# Altium PCB Copy of ECU rev B pcb.PcbDoc (part 4 of 5) (continued)
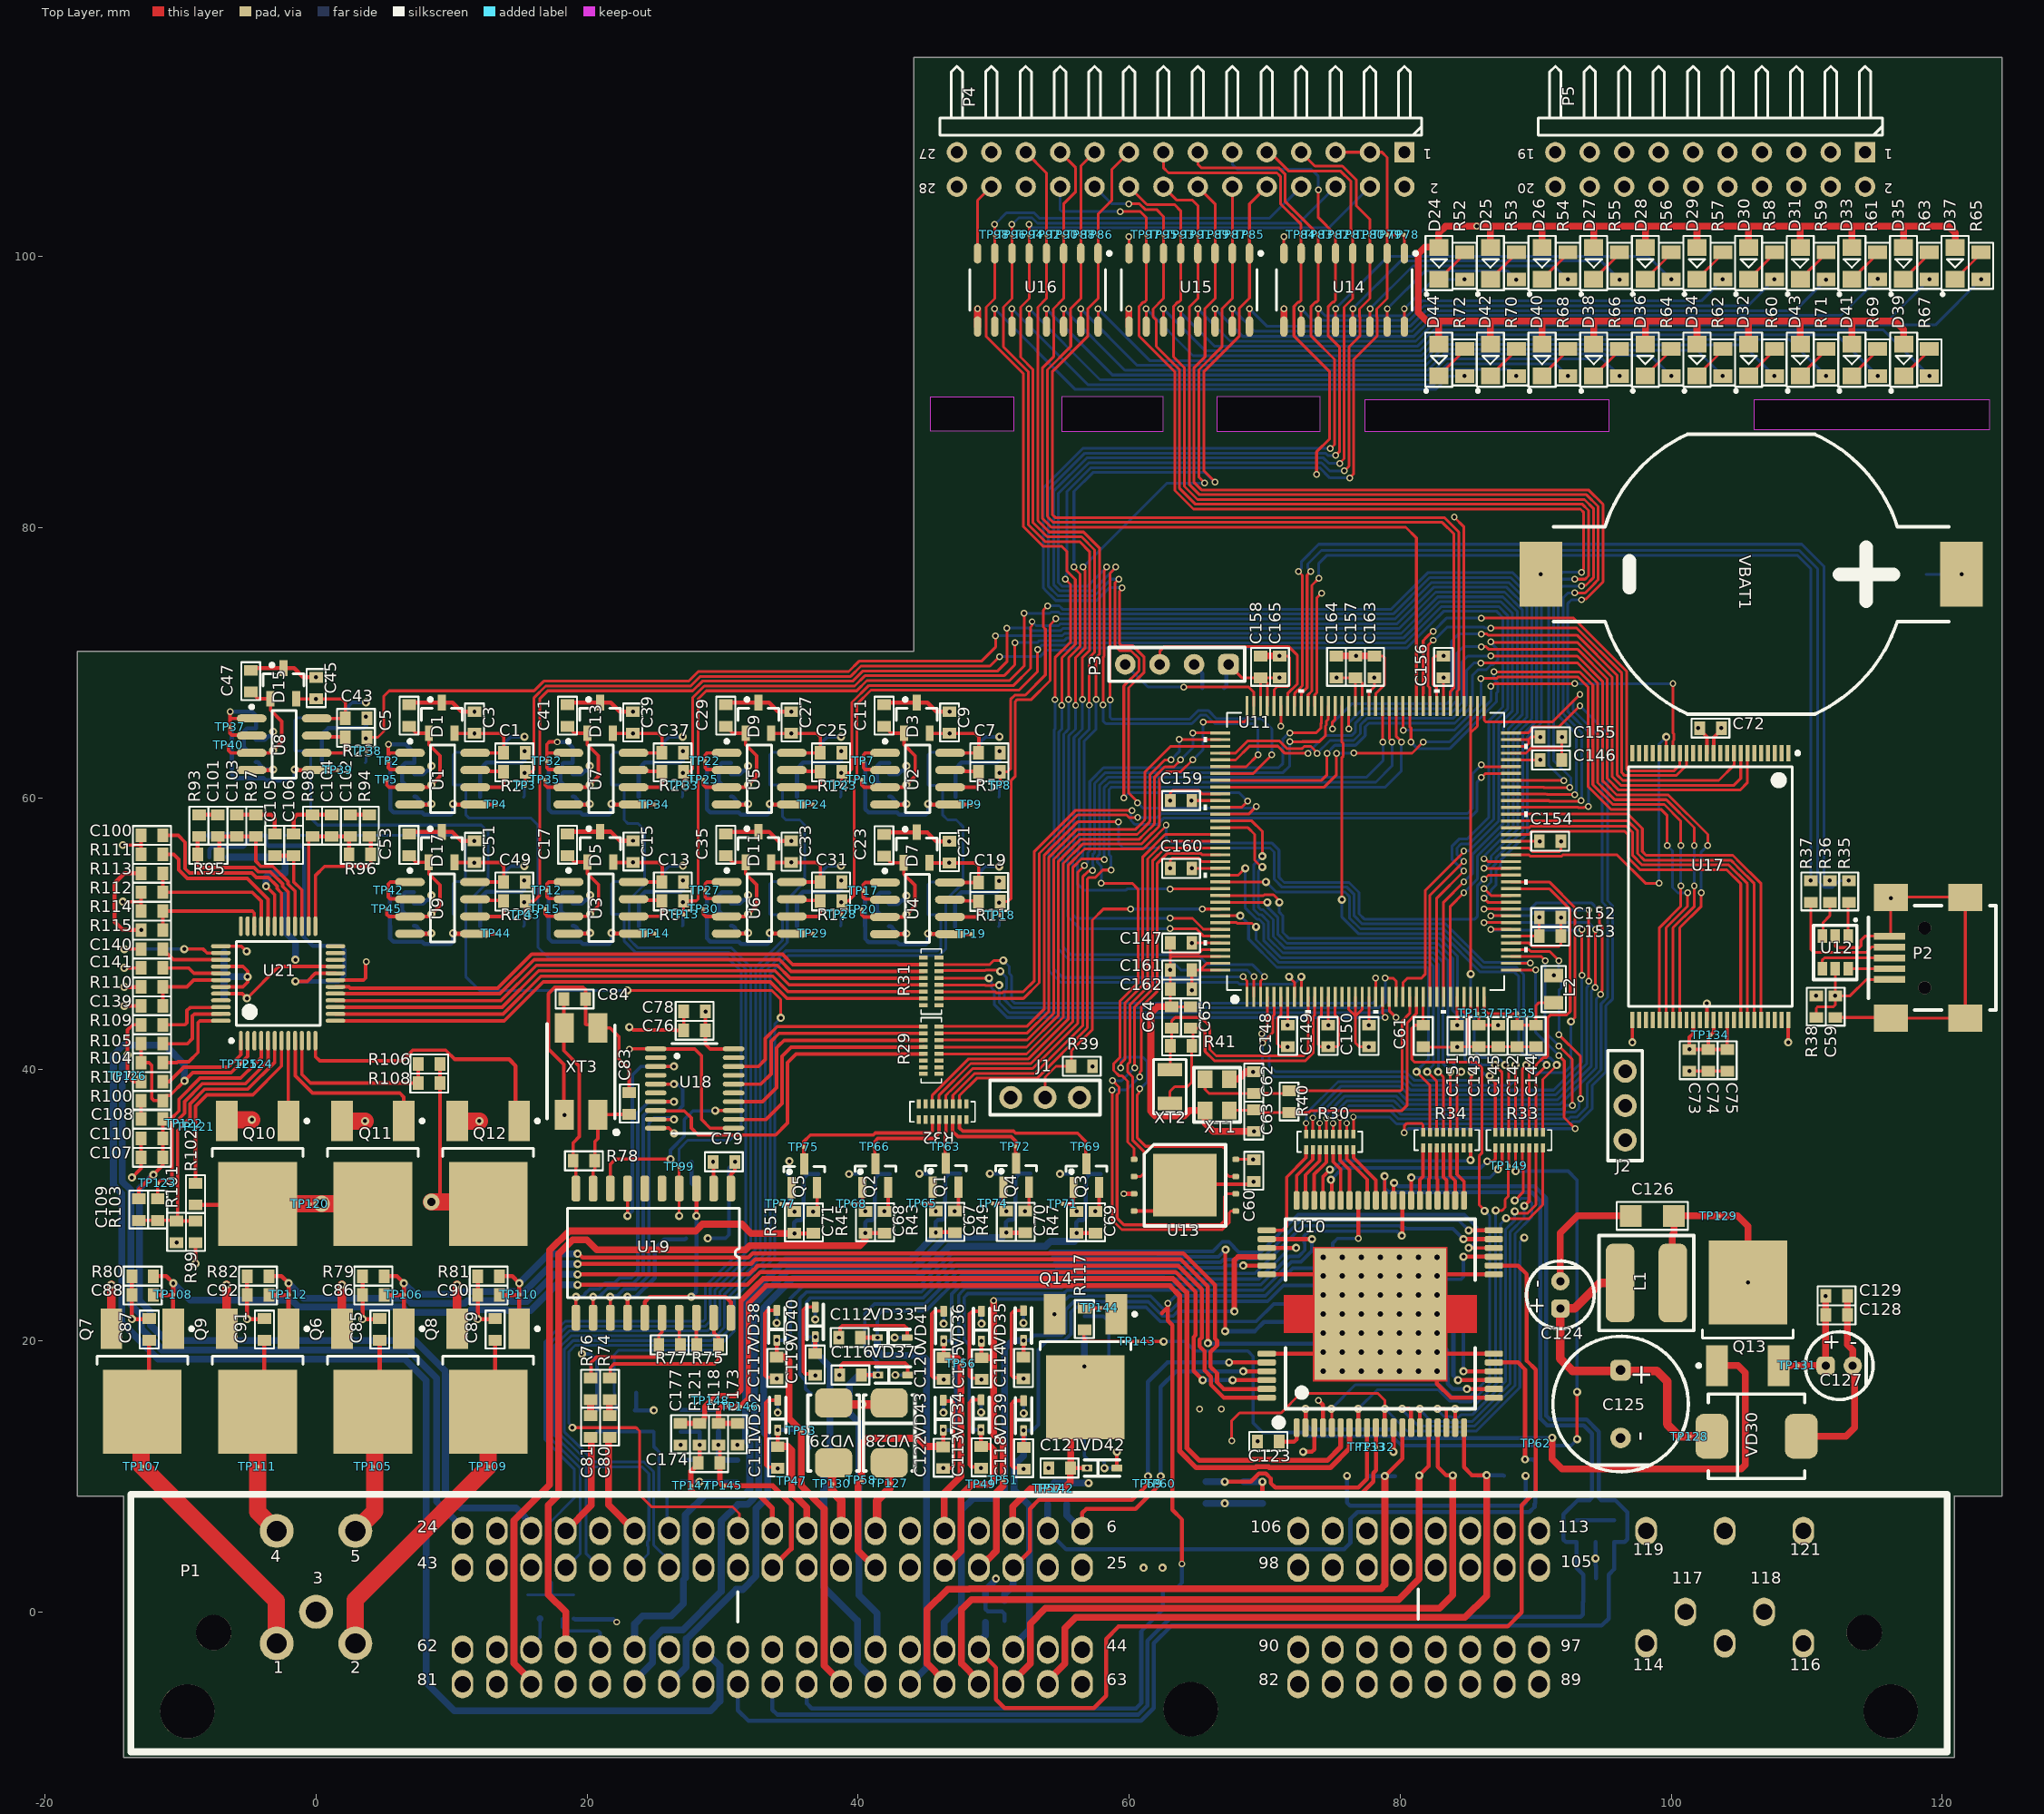
[diagram p0: Top Layer view]
## Nets (pads, with @x,y where several pads share a name; then routed paths per layer and width w, separated by ;. In a path a pad name is that pad's centre, name@x,y a point inside that pad or via, vN(x,y) a via of type N, cw(c..) or ccw(c..) an arc to the next point about the centre after c; other vN are vias at no path point) (continued)
NetR52_1: R52.1 U14.16 | length 6.6
  Top Layer w0.203: U14.16@80.31,94.817 v2(80.31,96.12)
  Bottom Layer w0.203: v2(80.31,96.12) 82.487,98.297 v2(84.755,98.297)
NetR53_1: R53.1 U14.15 | length 12.2
  Top Layer w0.203: U14.15@79.04,94.817 v2(79.04,96.12)
  Bottom Layer w0.203: v2(79.04,96.12) 81.834,98.914 87.93,98.914 v2(88.565,98.279)
NetR54_1: R54.1 U14.14 | length 17.6
  Top Layer w0.203: U14.14@77.77,94.817 v2(77.77,96.12)
  Bottom Layer w0.203: v2(77.77,96.12) 80.945,99.295 91.359,99.295 92.357,98.297 v2(92.375,98.297)
NetR55_1: R55.1 U14.13 | length 23.2
  Top Layer w0.203: U14.13@76.5,94.817 v2(76.5,96.12)
  Bottom Layer w0.203: v2@76.444,96.272 76.444,96.177 v2(76.5,96.12) 80.031,99.651 94.814,99.651 v2(96.185,98.279)
NetR56_1: R56.1 U14.12 | length 28.4
  Top Layer w0.203: U14.12@75.23,94.817 v2(75.23,96.12)
  Bottom Layer w0.203: v2(75.23,96.12) 79.117,100.007 98.286,100.007 v2(99.995,98.297)
NetR57_1: R57.1 U14.11 | length 32.6
  Top Layer w0.203: U14.11@73.96,94.817 v2(73.96,96.12)
  Bottom Layer w0.203: v2@73.899,96.269 73.899,96.262 73.96,96.201 v2(73.96,96.12) 74.464,95.616 80.519,95.616 81.607,96.705 102.213,96.705 v2(103.805,98.297)
NetR58_1: R58.1 U14.10 | length 37.8
  Top Layer w0.203: U14.10@72.69,94.817 v2(72.69,96.12)
  Bottom Layer w0.203: v2(72.69,96.12) 73.55,95.261 80.666,95.261 81.755,96.349 105.667,96.349 v2(107.615,98.297)
NetR59_1: R59.1 U15.16 | length 45.8
  Top Layer w0.203: U15.16@68.88,94.817 v2(68.88,96.12)
  Bottom Layer w0.203: v2(68.88,96.12) 70.15,94.85 80.759,94.85 81.902,95.993 109.139,95.993 v2(111.425,98.279)
NetR60_1: R60.1 U16.16 | length 54.3
  Top Layer w0.203: U16.16@57.704,94.817 v2(57.704,96.12)
  Bottom Layer w0.203: v2(57.704,96.12) 61.514,92.31 81.739,92.31 82.933,93.504 95.357,93.504 95.408,93.453 105.329,93.453 v2(107.615,91.167)
NetR61_1: R61.1 U15.15 | length 51.2
  Top Layer w0.203: U15.15@67.61,94.817 v2(67.61,96.12)
  Bottom Layer w0.203: v2(67.61,96.12) 67.665,96.065 67.668,96.063 69.261,94.469 80.881,94.469 82.049,95.638 112.55,95.638 v2(115.235,98.323)
NetR62_1: R62.1 U16.15 | length 51.7
  Top Layer w0.203: U16.15@56.434,94.817 v2(56.434,96.12)
  Bottom Layer w0.203: v2(56.434,96.12) 60.6,91.955 81.886,91.955 83.08,93.149 95.21,93.149 95.286,93.072 101.9,93.072 v2(103.805,91.167)
NetR63_1: R63.1 U15.14 | length 56.6
  Top Layer w0.203: U15.14@66.34,94.817 v2(66.34,96.12)
  Bottom Layer w0.203: v2(66.34,96.12) 68.372,94.088 81.003,94.088 82.197,95.282 116.03,95.282 v2(119.045,98.297)
NetR64_1: R64.1 U16.14 | length 49.2
  Top Layer w0.203: U16.14@55.164,94.817 v2(55.164,96.12)
  Bottom Layer w0.203: v2(55.164,96.12) 59.686,91.599 82.034,91.599 83.228,92.793 95.063,92.793 95.164,92.691 98.471,92.691 v2(99.995,91.167)
NetR65_1: R65.1 U15.13 | length 62
  Top Layer w0.203: U15.13@65.07,94.817 v2(65.07,96.12)
  Bottom Layer w0.203: v2(65.07,96.12) 67.458,93.733 81.15,93.733 82.344,94.927 119.485,94.927 v2(122.855,98.297)
NetR66_1: R66.1 U16.13 | length 46.6
  Top Layer w0.203: U16.13@53.894,94.817 v2(53.894,96.12)
  Bottom Layer w0.203: v2(53.894,96.12) 58.771,91.244 82.181,91.244 83.375,92.437 94.915,92.437 v2(96.185,91.167)
NetR67_1: R67.1 U15.12 | length 59.7
  Top Layer w0.203: U15.12@63.8,94.817 v2(63.8,96.12)
  Bottom Layer w0.203: v2(63.8,96.12) 63.8,95.866 66.29,93.377 81.297,93.377 82.491,94.571 115.642,94.571 v2(119.045,91.167)
NetR68_1: R68.1 U16.12 | length 44.1
  Top Layer w0.203: U16.12@52.624,94.817 v2(52.624,96.12)
  Bottom Layer w0.203: v2(52.624,96.12) 57.857,90.888 82.328,90.888 83.497,92.056 91.486,92.056 v2(92.375,91.167)
NetR69_1: R69.1 U15.11 | length 57
  Top Layer w0.203: U15.11@62.53,94.817 v2(62.53,96.12)
  Bottom Layer w0.203: v2(62.53,96.12) 65.629,93.022 81.445,93.022 82.638,94.215 112.187,94.215 v2(115.235,91.167)
NetR70_1: R70.1 U16.11 | length 41.5
  Top Layer w0.203: U16.11@51.354,94.817 v2(51.354,96.12)
  Bottom Layer w0.203: v2(51.354,96.12) 56.942,90.532 82.476,90.532 83.619,91.675 88.057,91.675 v2(88.565,91.167)
NetR71_1: R71.1 U15.10 | length 54.5
  Top Layer w0.203: U15.10@61.26,94.817 v2(61.26,96.12)
  Bottom Layer w0.203: v2(61.26,96.12) 64.715,92.666 81.592,92.666 82.786,93.86 108.733,93.86 v2(111.425,91.167)
NetR72_1: R72.1 U16.10 | length 38.8
  Top Layer w0.203: U16.10@50.084,94.817 v2(50.084,96.12)
  Bottom Layer w0.203: v2(50.084,96.12) 56.028,90.177 82.623,90.177 83.614,91.167 v2(84.755,91.167)
NetR73_2: R73.2 U19.14 | length 8.9
  Top Layer w0.305: U19.14@22.99,21.7 v1@22.99,23.241
  Bottom Layer w0.305: v1(22.987,23.241) 23.604,23.241 24.994,24.63 24.994,26.772 25.692,27.47 27.216,27.47 R73.2@27.305,27.559
NetR74_2: R74.2 R75.1 U19.19 | length 12.3
  Top Layer w0.254: R74.2@21.659,17.257 21.717,17.315 21.717,18.034 21.983,18.3 29.4,18.3 29.7,18.6 R75.1@29.7,19.7 29.7,20.244 29.371,20.572 U19.19@29.371,21.669
  Top Layer w0.305: U19.19@29.34,21.7 U19.19@29.371,21.669
NetR75_2: R75.2 U19.18 | length 2
  Top Layer w0.254: U19.18@28.07,21.7 28.07,19.73 R75.2@28.1,19.7
NetR76_2: R76.2 R77.1 U19.16 | length 9.5
  Top Layer w0.254: R76.2@20.262,17.257 20.262,17.238 20.3,17.2 20.3,18.4 20.7,18.8 25.151,18.8 25.3,18.949 R77.1@25.3,19.7 25.3,20.4 25.53,20.63 U19.16@25.53,21.7
  Top Layer w0.305: U19.16@25.53,21.7 25.53,21.67 U19.16@25.6,21.6
NetR77_2: R77.2 U19.17 | length 2
  Top Layer w0.254: U19.17@26.8,21.7 26.8,19.8 R77.2@26.9,19.7
NetR93_2: R93.2 R95.2 U21.29 | length 12.3
  Top Layer w0.254: R95.2@-8.736,55.88 -8.736,55.064 -8.587,54.915 -4.563,54.915 -4.232,54.585 -3.349,54.585 -2.464,53.699 -2.464,53.517 -2.044,53.098 U21.29@-2.044,50.58
  Top Layer w0.305: R95.2@-8.736,55.88 -8.736,57.101 R93.2@-8.636,57.201
NetR94_2: R94.2 R96.2 U21.25 | length 10.2
  Top Layer w0.254: U21.25@-0.044,50.58 -0.044,54.312 0.635,54.991 3.81,54.991 4.04,55.221 R96.2@4.04,55.88
  Top Layer w0.305: R94.2@3.937,57.201 4.04,57.098 R96.2@4.04,55.88
NetR102_1: R102.1 TP121.0 U21.7 | length 15.1
  Top Layer w0.254: R102.1@-8.89,31.623 TP121.0@-8.89,35.766 -8.89,37.308 -8.048,38.149 -4.657,38.149 -2.544,40.262 U21.7@-2.544,42.13
NetR103_1: R103.1 TP123.0 U21.5 | length 17.3
  Top Layer w0.254: R103.1@-11.684,30.48 TP123.0@-11.684,31.615 -11.438,31.861 -10.772,31.861 -10.624,32.01 -10.624,35.865 -9.703,36.786 -9.703,37.644 -8.385,38.962 -5.211,38.962 -3.544,40.629 U21.5@-3.544,42.13
NetR104_1: R104.1 U21.48 | length 6.8
  Top Layer w0.254: R104.1@-11.303,40.513 -10.247,40.513 -10.173,40.588 -9.39,40.588 -8.71,41.268 -8.71,43.456 -8.561,43.605 U21.48@-7.019,43.605
NetR105_1: R105.1 U21.47 | length 6.2
  Top Layer w0.254: R105.1@-11.303,41.91 -9.501,41.91 -9.117,42.295 -9.117,43.956 -8.968,44.105 U21.47@-7.019,44.105
NetR106_2: R106.2 R108.2 U21.10 | length 12.8
  Top Layer w0.254: U21.10@-1.044,42.13 -1.044,39.646 -0.406,39.008 R108.2@7.551,39.008 R106.2@7.551,40.417
NetR107_1: R107.1 U21.1 | length 7.6
  Top Layer w0.254: R107.1@-11.303,39.108 -10.837,39.108 -9.763,40.181 -6.464,40.181 -5.544,41.101 U21.1@-5.544,42.13
NetR109_1: R109.1 U21.46 | length 5.3
  Top Layer w0.254: R109.1@-11.303,43.307 -9.672,43.307 -9.523,43.456 -9.523,44.356 -9.302,44.577 -7.62,44.577 -7.592,44.605 U21.46@-7.019,44.605
NetR111_2: R111.2 U21.32 | length 11.6
  Top Layer w0.254: R111.2@-11.303,55.88 -10.507,55.88 -10.137,55.51 -10.137,54.741 -9.498,54.102 -5.08,54.102 -3.544,52.566 U21.32@-3.544,50.58
NetR112_2: R112.2 R113.1 U21.33 | length 10.8
  Top Layer w0.254: R113.1@-11.303,54.483 R112.2@-11.303,53.086 -4.699,53.086 -4.044,52.431 U21.33@-4.044,50.58
NetR114_2: R114.2 R115.1 U21.34 | length 9.2
  Top Layer w0.254: R115.1@-11.303,50.292 R114.2@-11.303,51.689 -4.702,51.689 -4.553,51.54 -4.553,50.589 U21.34@-4.544,50.58
NetTP46_0: C14.2 R7.1 R28.5 R28.6 R28.7 R28.8 TP11.0 TP46.0 VD3.2 | length 79.9
  Bottom Layer w0.203: TP46.0@15.625,1.266 R28.5@16.532,1.266 R28.6@17.372,1.266 ; R28.8@19.012,1.266 R28.7@18.172,1.266 R28.6@17.372,1.266 ; VD3.2@23.434,53.887 TP11.0@22.714,53.887 21.994,53.887 21.816,53.709 C14.2@21.816,52.871 R7.1@21.816,51.474 22.44,51.474 22.733,51.181 22.733,49.497 22.758,49.471 23.589,48.641 30.485,48.641 31.516,47.61 31.725,47.402 31.725,27.02 28.727,24.023 28.727,21.585 28.58,21.438 18.395,21.438 16.891,19.934 16.891,12.705 19.05,10.546 19.05,8.382 17.145,6.477 17.145,2.413 17.372,2.186 R28.6@17.372,1.266
NetTP100_0: TP100.0 U18.3 U19.7 | length 17.2
  Top Layer w0.254: v1(22.987,29.21) 22.987,30.988 22.99,30.991 U19.7@22.99,31.23 ; U18.3@25.065,40.233 v1(26.416,40.233)
  Bottom Layer w0.254: v1(22.987,29.21) 23.343,29.566 23.343,39.599 23.977,40.233 v1(26.416,40.233)
NetTP101_0: TP101.0 U18.5 U19.12 | length 24.2
  Top Layer w0.254: v1(20.447,23.241) 20.45,23.238 U19.12@20.45,21.7 ; U18.5@25.065,38.933 26.251,38.933 26.322,38.862 v1@26.416,38.862
  Bottom Layer w0.254: v1(20.447,23.241) 20.898,23.241 21.517,23.861 22.213,23.861 22.579,24.227 22.787,24.227 23.405,24.227 24.155,24.978 24.155,25.595 24.155,25.933 24.155,27.137 24.155,28.286 24.155,36.601 TP101.0@24.511,36.957 26.67,36.957 27.051,37.338 27.051,38.608 26.792,38.867 26.482,38.867 v1(26.416,38.933)
NetTP102_0: TP102.0 U18.7 U19.11 | length 23
  Top Layer w0.254: U19.11@19.177,21.971 v1(19.177,23.241) ; U18.7@25.065,37.633 v1(26.416,37.633)
  Top Layer w0.508: U19.11@19.177,21.971 19.18,21.968 U19.11@19.18,21.7
  Bottom Layer w0.254: v1(19.177,23.241) 19.685,23.241 19.868,23.424 19.868,23.481 20.207,23.82 20.902,23.82 21.309,24.227 21.349,24.267 22.044,24.267 22.41,24.633 23.236,24.633 23.749,25.146 23.749,36.83 24.511,37.592 TP102.0@25.4,37.592 26.375,37.592 v1(26.416,37.633)
NetTP103_0: TP103.0 U18.9 U19.13 | length 19.7
  Top Layer w0.254: v1(21.717,23.241) 21.72,23.238 U19.13@21.72,21.7 ; U18.9@25.065,36.333 25.262,36.333 25.273,36.322 v1(26.416,36.322)
  Bottom Layer w0.254: v1(21.717,23.241) 21.783,23.307 22.234,23.307 22.747,23.82 22.956,23.82 23.573,23.82 24.562,24.809 24.562,25.426 24.562,25.765 24.562,26.333 24.562,26.46 24.562,26.587 24.562,26.968 24.562,28.118 24.562,36.052 24.959,36.449 TP103.0@25.526,36.449 26.094,36.449 26.155,36.388 26.35,36.388 v1(26.416,36.322)
NetTP104_0: TP104.0 U18.13 U19.8 | length 13.7
  Top Layer w0.254: U19.8@21.72,31.23 21.72,33.023 22.098,33.401 v1(26.162,33.401) ; v1@29.464,36.957 29.49,36.983 U18.13@30.815,36.983
  Bottom Layer w0.254: v1(26.162,33.401) 26.162,34.067 27.178,35.083 27.178,36.322 27.813,36.957 TP104.0@28.321,36.957 29.438,36.957 v1(29.464,36.983)
NetTP136_0: TP136.0 U11.8 VBAT1.2 | length 92
  Top Layer w0.203: v1(71.8,46.846) 72.2,46.446 72.2,45.346 72.199,45.347 U11.8@72.199,45.377
  Power w0.254: v1(71.8,46.846) 71.8,48.346 72.8,49.346 94.7,49.346 104.3,49.346 105.6,48.046 105.6,44.746 106.7,43.646 114.2,43.646 115,44.446 115,75.646 115.9,76.546 v2(121.42,76.546)
  Bottom Layer w0.203: TP136.0@118.8,76.546 v2(121.42,76.546)
NetU10_23: U10.23 VD10.1 | length 70.3
  Top Layer w0.254: v1(67.081,20.701) 67.081,26.681 v1(67.115,26.715)
  Top Layer w0.305: v1(84.275,17.095) 84.276,17.096 U10.23@86.916,17.096
  Bottom Layer w0.254: VD10.1@36.5,16.1 36.106,16.494 36.106,17.094 35.7,17.5 35.7,23.1 36.2,23.6 44.676,23.6 47.095,26.019 54.219,26.019 54.379,26.179 62.08,26.179 62.096,26.195 66.595,26.195 v1(67.115,26.715)
  Bottom Layer w0.305: VD10.1@36.4,16.1 VD10.1@36.5,16.1 ; v1(67.081,20.701) 69.267,20.701 69.951,21.385 74.065,21.385 74.083,21.366 83.514,21.366 83.927,20.953 83.927,17.443 v1(84.275,17.095)
NOE: U11.116 U17.8 | length 57.5
  Top Layer w0.203: U11.116@66.73,61.346 74.2,61.346 74.6,61.746 v2(74.6,63.338) ; v2(86.69,71.552) 86.716,71.526 93.067,71.526 95.642,68.951 95.642,64.937 95.642,61.612 96.275,60.979 104.634,60.979 105.131,61.476 U17.8@105.131,63.352
  Bottom Layer w0.203: v2(74.6,63.338) 74.6,63.35 75.18,63.93 76.703,63.93 77.415,64.642 77.415,65.284 77.688,65.557 84.023,65.557 85.344,66.878 85.344,69.103 85.736,69.494 86.333,69.494 86.71,69.871 86.864,69.871 87.198,70.206 87.198,70.993 86.69,71.501 v2(86.69,71.552)
NWAIT: U11.93 U17.7 | length 47
  Top Layer w0.203: U11.93@76.199,66.814 76.199,66.747 76.2,66.746 v2(76.2,65.146) ; v2(85.979,71.196) 86.333,71.196 86.511,71.018 93.072,71.018 95.286,68.804 95.286,61.465 96.128,60.624 105.078,60.624 105.631,61.176 U17.7@105.631,63.352
  Bottom Layer w0.203: v2(76.2,65.146) 76.2,65.578 77.247,66.624 83.581,66.624 84.201,67.244 84.201,70.739 84.658,71.196 v2(85.979,71.196)
NWE: U11.117 U17.18 | length 43.3
  Top Layer w0.203: U11.117@66.73,60.846 74.4,60.846 75.3,61.746 v2(75.3,63.338) ; v2(76.579,63.348) 80.874,63.348 v2@81.686,64.16 ; v2(86.69,68.275) 86.754,68.275 86.958,68.478 v2(92.888,68.478) ; v2(100.127,68.478) 100.131,68.474 100.131,64.821 100.185,64.767 100.185,64.308 100.131,64.254 U17.18@100.131,63.352
  Bottom Layer w0.203: v2(75.3,63.338) 75.31,63.348 v2(76.579,63.348) ; v2(81.686,64.168) 83.639,64.168 86.69,67.219 v2(86.69,68.275) ; v2(92.888,68.478) v2(100.127,68.478)
"O2 Heater1": C114.2 P1.48 TP50.0 U10.56 VD19.2 VD35.1 | length 52.5
  Top Layer w0.305: C114.2@52.202,18.788 v2(52.202,20.023)
  Top Layer w0.381: v1(67.765,22.165) 67.765,25.935 68.026,26.196 U10.56@70.152,26.196
  Bottom Layer w0.254: v2(52.202,20.023) 52.623,20.023 53,20.4 55.025,20.4 55.3,20.675 55.3,22.27 55.916,22.886 61.414,22.886 62.477,21.823 63.253,21.823 63.595,22.165 v1(67.765,22.165)
  Bottom Layer w0.508: P1.48@46.37,-2.79 46.355,-2.775 46.355,-0.762 47.625,0.508 47.625,7.525 48.482,8.382 50.182,8.382 50.8,9 TP50.0@50.8,16.251 50.8,19.4 51.423,20.023 v2(52.202,20.023)
"O2 Heater2": C115.2 P1.28 Q12.4 R106.1 R108.1 TP51.0 U10.29 VD20.2 VD36.1 | length 125.6
  Top Layer w0.254: R106.1@9.151,40.417 9.151,40.076 R108.1@9.151,39.008 9.151,30.598 9.523,30.226 9.668,30.081 Q12.4@12.71,30.081
  Top Layer w0.305: P1.28@48.91,3.26 48.96,3.26 P1.28@49,3.3 ; C115.2@49.104,18.744 v2(49.104,19.979) ; U10.29@86.916,26.196 v1(84.665,26.195) ; v1(84.665,26.195) v1(84.665,26.195)
  Top Layer w0.508: P1.28@49,3.3 49,3.305 49.652,3.956 49.656,3.956 50.2,4.5 50.2,8.8 50.7,9.3 TP51.0@50.7,9.7 50.7,12.4 50,13.1 50,16.565 50.01,16.576 50.01,18.744 ; C115.2@49.104,18.744 50.01,18.744 ; v2(50.013,22.947) 50.01,22.945 50.01,18.744
  Top Layer w1.27: v5(8.509,30.226) 9.523,30.226 12.565,30.226 Q12.4@12.71,30.081
  Power w1.27: v5(8.509,30.226) 8.839,30.556 29.185,30.556 34.265,25.476 47.483,25.476 v2(50.013,22.947)
  Bottom Layer w0.254: v2(50.013,22.947) 50.079,22.947 50.202,23.07 55.359,23.07 55.582,23.292 61.583,23.292 62.646,22.229 63.084,22.229 63.767,22.912 70.223,22.912 71.39,24.079 82.862,24.079 83.319,24.536 84.506,24.536 84.665,24.696 v1(84.665,26.195)
"O2 Pump": P1.23 Q10.4 Q11.4 R102.2 TP120.0 | length 47.8
  Top Layer w0.305: R102.2@-8.89,30.023 -4.366,30.023 Q10.4@-4.308,30.081 -2.939,30.081 Q10.4@-2.921,30.099
  Top Layer w1.27: Q10.4@-2.921,30.099 4.183,30.099 Q11.4@4.201,30.081 Q11.4@4.201,29.881
  Power w1.27: v5(0.4,30.1) 5.638,30.1 9.271,26.467 12.606,26.467 13.35,25.723 P1.23@13.35,5.97
"O2 Ref": C107.1 C108.2 C109.2 C110.2 P1.22 TP124.0 U21.4 | length 69.3
  Top Layer w0.254: C109.2@-13.081,30.48 -13.081,31.169 -11.303,32.947 C107.1@-11.303,33.528 C110.2@-11.303,34.925 C108.2@-11.303,36.364 -10.699,36.364 -10.109,36.954 -10.109,37.813 -8.553,39.369 -5.561,39.369 TP124.0@-4.544,40.385 -4.044,40.885 U21.4@-4.044,42.13 ; P1.22@15.885,5.975 P1.22@15.89,5.97
  Bottom Layer w0.508: v1(-12.001,32.24) -13.014,31.226 -13.014,22.948 -12.222,22.156 -12.222,21.169 -11.056,20.003 7.286,20.003 9.525,17.765 9.525,17.528 9.55,17.503 9.55,8.786 10.68,7.657 14.763,7.657 15.4,7.02 15.4,7.006 15.89,6.515 P1.22@15.89,5.97
"O2 Tag": P1.24 R107.2 R109.2 TP126.0 | length 62.3
  Top Layer w0.254: R107.2@-12.903,39.108 -13.473,39.108 TP126.0@-13.909,39.543 -13.909,42.93 -13.532,43.307 R109.2@-12.903,43.307 ; P1.24@10.805,5.979 10.805,5.975 P1.24@10.81,5.97
  Bottom Layer w0.508: v1(-13.923,41.098) -13.923,41.073 -14.287,40.709 -14.287,31.742 -13.674,31.129 -13.674,22.674 -12.883,21.883 -12.883,20.896 -11.33,19.343 ; -11.511,19.447 -11.368,19.304 6.815,19.304 8.89,17.229 8.89,8.14 10.81,6.22 P1.24@10.81,5.97
OSC32_IN: C64.1 R41.1 U11.10 XT2.1 | length 20.1
  Top Layer w0.203: XT2.1@63,39.996 63.03,40.026 R41.1@63.03,41.746 63.13,41.846 C64.1@63.13,43.046 63.13,43.576 63.4,43.846 65.3,43.846 65.956,43.19 65.956,41.49 66.423,41.023 72.874,41.023 73.2,41.349 73.2,45.376 U11.10@73.199,45.377
OSC32_OUT: C65.1 R41.2 U11.11 XT2.2 | length 22.2
  Top Layer w0.203: XT2.2@63,37.496 63,38.386 63.359,38.746 64.3,38.746 64.6,39.046 64.6,41.715 R41.2@64.63,41.746 64.7,41.815 64.7,42.876 C65.1@64.53,43.046 65.3,43.046 65.6,42.746 65.6,41.343 66.297,40.646 73,40.646 73.589,41.235 73.589,43.929 73.699,44.039 73.699,44.764 73.686,44.777 73.699,44.79 U11.11@73.699,45.377
OSC_IN: C62.1 R40.1 U11.25 XT1.1 | length 22.6
  Top Layer w0.203: XT1.1@65.589,39.291 65.589,39.256 65.6,39.246 65.6,38.546 65.9,38.246 C62.1@69.2,38.246 71.6,38.246 R40.1@71.8,38.446 80.025,38.446 80.144,38.565 80.144,40.39 80.153,40.399 80.153,43.602 80.699,44.148 U11.25@80.699,45.377
OSC_OUT: C63.1 R40.2 U11.26 XT1.2 | length 21.8
  Top Layer w0.203: XT1.2@67.389,36.991 C63.1@69.145,36.991 ; C63.1@69.2,37.046 C63.1@69.145,36.991 ; U11.26@81.199,45.377 81.199,44.145 80.509,43.454 80.509,40.251 80.5,40.243 80.5,37.346 80.137,36.982 73.412,36.982 73.275,36.846 71.9,36.846 R40.2@71.8,36.846 69.29,36.846 C63.1@69.145,36.991
PA0: R34.8 U11.37 | length 30.1
  Top Layer w0.203: v2(80.3,35.346) 80.3,35.846 80.5,36.046 81.57,36.046 81.689,35.927 R34.8@81.689,35.373 ; U11.37@88.168,47.346 v2(90,47.346) ; v2(91.7,41.046) 92.111,40.634 92.111,36.957 92.1,36.946 92.1,36.465 v2(92.919,35.646)
  Bottom Layer w0.203: v2(80.3,35.346) 80.6,35.646 v2(92.919,35.646) ; v2(90,47.346) 90,42.746 v2(91.7,41.046)
PA1: R29.8 U11.38 | length 65.3
  Top Layer w0.203: R29.8@45.974,43.18 52.451,43.18 53.721,44.45 53.721,55.803 56.2,58.282 v2(59.222,58.282) ; U11.38@88.168,47.846 88.173,47.85 89.588,47.85 v2(89.592,47.855) 89.6,47.848 v2@89.6,47.846
  Bottom Layer w0.203: v2(59.222,58.282) 59.222,56.678 59.555,56.346 70.4,56.346 70.7,56.046 70.7,54.046 71.29,53.455 76.077,53.455 76.61,52.922 76.61,51.342 77.205,50.746 83.358,50.746 86.193,47.911 89.535,47.911 v2@89.592,47.854
PA2: R30.4 U11.39 | length 34.2
  Top Layer w0.203: R30.4@75.053,35.246 v4(75.053,36.033) ; U11.39@88.168,48.346 89.37,48.346 89.384,48.359 90.387,48.359 v2(90.7,48.046) ; v2(91.706,41.752) 92.7,40.758 v2(92.7,37.365) v2@92.7,37.246
  Bottom Layer w0.203: v4(75.053,36.033) 75.053,36.687 76.06,37.694 79.551,37.694 80.177,37.068 91.941,37.068 92.228,37.355 v2@92.71,37.355 ; v2(90.7,48.046) 90.7,42.758 v2(91.706,41.752)
PA3: R30.3 U11.40 | length 35.4
  Top Layer w0.203: R30.3@75.553,35.246 v4(75.553,36.444) ; U11.40@88.168,48.846 89.506,48.846 89.637,48.715 91.031,48.715 v2(91.7,48.046) ; v2@91.713,42.579 93.3,40.992 v2(93.3,37.846)
  Bottom Layer w0.203: v4(75.553,36.444) 75.6,36.491 75.6,36.731 76.207,37.338 79.404,37.338 80.029,36.712 92.088,36.712 92.237,36.861 92.909,36.861 93.204,37.156 93.204,37.578 93.243,37.617 93.243,37.789 v2(93.3,37.846) ; v2(91.7,48.046) 91.7,47.359 91.9,47.159 91.9,46.046 91.713,45.858 v2@91.713,42.592
  other v2: 91.706,42.585
PA4: R30.8 U11.43 | length 41.9
  Top Layer w0.203: R30.8@73.053,35.246 v4(73.053,36.046) ; v2(86.7,50.346) U11.43@88.168,50.346 U11.43@88.168,50.346 ; v2(93.4,46.946) v2(93.4,50.346)
  Bottom Layer w0.203: v4(73.053,36.046) 73.074,36.067 73.074,36.767 75.423,39.116 80.14,39.116 80.766,38.49 91.325,38.49 93.4,40.566 v2(93.4,46.946) ; v2(86.7,50.346) 86.741,50.305 93.359,50.305 v2(93.4,50.346)
PA5: R30.6 U11.44 | length 44.5
  Top Layer w0.203: R30.6@74.053,35.246 v4(74.053,36.046) ; v2(86.2,50.846) 86.204,50.85 86.933,50.85 86.937,50.846 U11.44@88.168,50.846 ; v2@94.335,46.024 v2(94.372,46.061) 94.408,46.097 v2(94.408,50.346) v2@94.4,50.346
  Bottom Layer w0.203: v4(74.053,36.046) 74.053,36.692 75.765,38.405 79.846,38.405 80.471,37.779 91.619,37.779 94.111,40.271 94.111,45.801 v2(94.372,46.061) 94.317,46.116 v2@94.317,46.229 ; v2@86.196,50.842 86.204,50.85 89.803,50.85 89.992,50.66 92.097,50.66 92.286,50.85 93.904,50.85 94.098,50.656 v2(94.408,50.346)
PA6: R30.7 U11.45 | length 44
  Top Layer w0.203: R30.7@73.553,35.246 73.553,35.833 73.557,35.837 73.557,36.442 v4(73.553,36.446) ; v2@86.7,51.346 v2(86.7,51.354) 86.704,51.35 88.164,51.35 U11.45@88.168,51.346 ; v2(93.904,46.529) 93.904,51.75 v2(93.933,51.779)
  Bottom Layer w0.203: v4(73.553,36.446) 73.553,36.513 73.697,36.657 73.697,36.84 75.618,38.76 79.993,38.76 80.619,38.135 91.472,38.135 93.756,40.419 93.756,46.052 93.881,46.177 93.881,46.506 v2(93.904,46.529) ; v2(86.7,51.354) 89.608,51.354 90.033,51.779 v2(93.933,51.779)
PA7: R30.5 U11.46 | length 46.2
  Top Layer w0.203: R30.5@74.553,35.246 74.6,35.246 74.553,35.293 v4(74.553,36.414) ; v2(86.2,51.846) 86.212,51.858 86.929,51.858 86.941,51.846 U11.46@88.168,51.846 ; v2(94.7,51.846) 94.7,50.766 94.912,50.554 94.912,45.889 94.857,45.834 94.857,45.602 v2(94.8,45.546)
  Bottom Layer w0.203: v4(74.553,36.414) 74.6,36.462 74.6,36.737 75.913,38.049 79.698,38.049 80.324,37.424 91.766,37.424 94.467,40.124 94.467,45.212 v2(94.8,45.546) ; v2(86.2,51.846) 86.212,51.858 86.909,51.858 86.921,51.846 89.597,51.846 90.035,52.283 94.142,52.283 94.523,51.902 94.643,51.902 v2(94.7,51.846)
PA8: R32.4 U11.97 | length 52.1
  Top Layer w0.203: R32.4@46.482,37.472 46.482,38.11 46.777,38.405 46.785,38.405 48.461,40.081 52.872,40.081 56.21,43.419 56.21,54.562 v2(56.693,55.044) ; v2(71.856,64.846) 73.801,64.846 74.14,65.185 74.14,65.502 74.199,65.56 U11.97@74.199,66.814
  Bottom Layer w0.203: v2(56.693,55.044) 56.951,55.302 56.951,56.002 57.099,56.151 57.099,61.256 58.111,62.268 71.022,62.268 71.352,62.598 71.352,64.402 71.796,64.846 v2(71.856,64.846)
PA15: R29.4 U11.108 | length 43.8
  Top Layer w0.203: R29.4@45.974,41.18 45.974,41.148 52.431,41.148 55.143,43.861 55.143,55.214 56.572,56.642 60.895,56.642 61.28,57.027 62.201,57.947 62.201,58.004 62.234,58.038 62.234,61.447 62.773,61.986 63.815,61.986 64.674,62.846 v2(64.7,62.846) ; v2(65.47,65.646) 68.5,65.646 68.7,65.846 68.7,66.746 68.699,66.747 U11.108@68.699,66.814
  Bottom Layer w0.203: v2(64.7,62.846) 65.456,63.601 65.456,65.631 v2(65.47,65.646)
PB0: R33.3 U11.49 | length 23.5
  Top Layer w0.203: U11.49@88.168,53.346 91,53.346 92.54,51.805 92.54,46.59 92.544,46.586 92.544,44.29 92.3,44.046 91.1,44.046 90.9,43.846 90.9,41.019 90.781,40.9 90.575,40.9 90.052,40.377 90.052,40.315 89.523,39.785 R33.3@89.523,35.373
PB1: R33.4 U11.50 | length 26.2
  Top Layer w0.203: U11.50@88.168,53.846 91.003,53.846 92.896,51.952 92.896,46.737 92.9,46.733 92.9,43.846 v1(92.6,43.546) ; R33.4@89.023,35.373 89.023,40.055 89.3,40.332 v1(89.3,40.346)
  Bottom Layer w0.203: v1(89.3,40.346) 89.3,40.315 89.823,39.792 92.123,39.792 92.6,40.269 v1(92.6,43.546)
PB2: R32.6 U11.51 | length 66.5
  Top Layer w0.203: R32.6@45.482,37.472 45.482,38.116 48.133,40.767 48.141,40.767 48.166,40.792 52.578,40.792 55.499,43.714 55.499,55.066 56.719,56.286 61.043,56.286 61.428,56.671 62.738,57.982 v2(62.738,58.039) ; v2(86.2,54.046) 86.5,54.346 U11.51@88.168,54.346
  Bottom Layer w0.203: v2(62.738,58.039) 62.738,57.074 63.111,56.701 70.547,56.701 71.056,56.193 71.056,54.193 71.438,53.811 76.224,53.811 76.965,53.07 76.965,51.489 77.353,51.102 85.508,51.102 85.69,51.283 85.69,53.548 86.187,54.046 v2(86.2,54.046)
PB3: R34.5 U11.130 | length 34.2
  Top Layer w0.203: U11.130@66.73,54.346 68.053,54.346 68.553,54.846 v1(68.578,54.846) ; v1(82.8,39.846) 83.189,39.457 R34.5@83.189,35.373
  Bottom Layer w0.203: v1(68.578,54.846) 68.555,54.823 68.555,51.956 69.424,51.086 69.596,51.086 69.921,50.762 69.921,49.531 71.195,48.257 80.477,48.257 82.327,48.257 82.809,47.775 82.809,45.925 82.809,39.854 v1(82.8,39.846)
PB4: R33.1 U11.131 | length 40.1
  Top Layer w0.203: U11.131@66.73,53.846 v1(70.1,53.846) ; R33.1@90.523,35.373 90.523,39.28 91.557,40.315 v1(91.557,40.346) v1@91.4,40.346
  Bottom Layer w0.203: v1(70.1,53.846) 70.846,53.1 75.929,53.1 76.254,52.775 76.254,51.195 77.058,50.39 83.21,50.39 86.046,47.555 88.577,47.555 89.11,47.022 89.11,41.639 89.493,41.255 90.429,41.255 90.785,40.9 91.034,40.9 91.588,40.346 v1(91.557,40.346)
PB5: P4.23 TP92.0 U11.132 U16.4 | length 69.7
  Top Layer w0.203: P4.23@52.37,107.677 53.894,106.153 TP92.0@53.894,101.581 U16.4@53.894,100.217 53.894,96.882 53.259,96.247 53.259,80.505 54.103,79.661 56.638,79.661 57.806,78.493 57.806,70.641 57.56,70.395 v2(57.56,67.305) ; v2(63.038,53.321) 63.063,53.346 U11.132@66.73,53.346
  Bottom Layer w0.203: v2(57.56,67.305) 57.56,65.115 56.688,64.243 56.688,56.243 56.595,56.15 56.595,55.768 56.189,55.362 56.189,53.694 56.64,53.242 59.773,53.242 59.852,53.321 v2(63.038,53.321)
PB6: R33.7 U11.133 | length 35.6
  Top Layer w0.203: U11.133@66.73,52.846 69.917,52.846 69.971,52.9 70.646,52.9 70.917,52.628 70.917,52.619 71.075,52.462 v1@71.084,52.462 ; v1@87,40.346 v1(86.995,40.346) 86.995,40.315 87.523,39.787 R33.7@87.523,35.373
  Bottom Layer w0.203: v1(71.084,52.346) 71.084,51.61 71.343,51.351 71.343,50.12 71.784,49.679 81.066,49.679 82.916,49.679 84.231,48.364 84.231,46.515 84.231,44.531 85.109,43.654 85.109,40.94 85.293,40.755 85.629,40.755 86.039,40.346 v1(86.995,40.346)
PB7: R33.8 U11.134 | length 34.3
  Top Layer w0.203: U11.134@66.73,52.346 v1(70.2,52.346) ; v1(86.617,39.546) 86.617,39.429 87.023,39.023 R33.8@87.023,35.373
  Bottom Layer w0.203: v1(70.2,52.346) 70.247,52.299 70.247,51.944 70.987,51.204 70.987,49.973 71.636,49.324 80.919,49.324 82.769,49.324 83.875,48.217 83.875,46.367 83.875,44.384 84.753,43.506 84.753,40.793 85.146,40.4 85.482,40.4 86.26,39.622 86.541,39.622 v1(86.617,39.546)
PB8: R34.7 U11.136 | length 30.5
  Top Layer w0.203: U11.136@66.73,51.346 v1(68.2,51.346) ; v1(81.2,39.846) 82.2,38.846 82.2,35.346 82.189,35.357 R34.7@82.189,35.373
  Bottom Layer w0.203: v1(68.2,51.346) 68.813,50.733 68.813,49.633 70.9,47.546 81.978,47.546 82.097,47.427 82.097,40.79 81.2,39.893 v1(81.2,39.846)
PB9: R34.6 U11.137 | length 30.3
  Top Layer w0.203: U11.137@66.73,50.846 67.917,50.846 67.971,50.792 69.058,50.792 69.317,50.532 v1(69.367,50.532) ; v1(82,39.846) 82.689,39.157 R34.6@82.689,35.373
  Bottom Layer w0.203: v1(69.367,50.532) 69.367,49.582 71.047,47.901 80.33,47.901 82.179,47.901 82.453,47.628 82.453,45.778 82.453,40.354 82,39.901 v1(82,39.846)
PB10: R31.3 U11.66 | length 57.1
  Top Layer w0.203: R31.3@45.974,45.752 45.98,45.746 50.117,45.746 50.188,45.675 50.647,45.675 50.718,45.746 52.197,45.746 53.01,46.558 53.01,56.097 56.054,59.142 60.163,59.142 v2(60.199,59.106) ; v2(86,61.546) 86.3,61.846 U11.66@88.168,61.846
  Bottom Layer w0.203: v2(60.199,59.106) 60.126,59.033 60.126,58.389 60.421,58.094 62.08,58.094 62.529,58.543 85.106,58.543 85.674,59.111 85.674,61.214 86,61.54 v2(86,61.546)
PB11: R31.2 U11.67 | length 56.6
  Top Layer w0.203: R31.2@45.974,45.252 52.206,45.252 53.365,46.411 53.365,55.95 56.202,58.786 59.805,58.786 59.99,58.602 60.626,58.602 v2(60.63,58.598) ; v2(86,62.487) 86.08,62.487 86.221,62.346 U11.67@88.168,62.346
  Bottom Layer w0.203: v2(60.63,58.598) 62.081,58.598 62.382,58.899 84.959,58.899 85.319,59.258 85.319,61.805 v2(86,62.487)
PB12: R30.1 U11.72 | length 56.9
  Top Layer w0.203: R30.1@76.553,35.246 v4(76.553,36.503) ; U11.72@88.168,64.846 89.465,64.846 89.645,65.026 89.645,65.12 89.825,65.3 91.726,65.3 v2(93.264,66.838)
  Bottom Layer w0.203: v4(76.553,36.503) 79.233,36.503 79.735,36.001 92.562,36.001 92.711,36.15 93.203,36.15 94.16,37.106 94.16,38.805 95.178,39.824 95.178,44.708 95.66,45.19 95.66,52.102 95.3,52.461 95.3,64.803 v2(93.264,66.838)
PB13: R30.2 U11.73 | length 61.2
  Top Layer w0.203: R30.2@76.053,35.246 v4(76.053,36.046) ; U11.73@86.199,66.814 86.199,65.774 86.318,65.655 91.247,65.655 v2(93.264,67.672)
  Bottom Layer w0.203: v4(76.053,36.046) 76.053,36.681 76.355,36.982 79.257,36.982 79.882,36.357 92.415,36.357 92.563,36.505 93.056,36.505 93.804,37.253 93.804,38.953 94.6,39.749 94.6,39.754 94.822,39.977 94.822,44.855 95.304,45.337 95.304,51.954 94.9,52.358 94.9,64.386 92.76,66.525 92.76,67.168 v2(93.264,67.672)
PB14: R33.6 U11.74 U11.75 | length 35.6
  Top Layer w0.203: U11.75@85.199,66.814 85.199,66.845 85.2,66.846 85.2,64.846 ; v1(85.2,47.045) 85.2,64.846 ; U11.74@85.699,66.814 85.699,65.345 85.2,64.846 ; v1@87.8,40.346 v1(87.748,40.346) 87.748,40.315 88.023,40.039 R33.6@88.023,35.373
  Bottom Layer w0.203: v1(85.2,47.045) 85.2,44.065 85.464,43.801 85.464,41.423 85.988,40.9 87.225,40.9 87.748,40.377 v1(87.748,40.346)